# Altium PCB PCB1.pcbdoc (part 2 of 4)
Units mm, origin at the board's own origin, x right, y up, seen from the top; angles counter-clockwise.
Board outline 96.27 x 122.17 mm, 4 copper layers (Top Layer, Inner1, Inner2, Bottom Layer); 167 components, 166 nets, 783 pads, 353 vias.
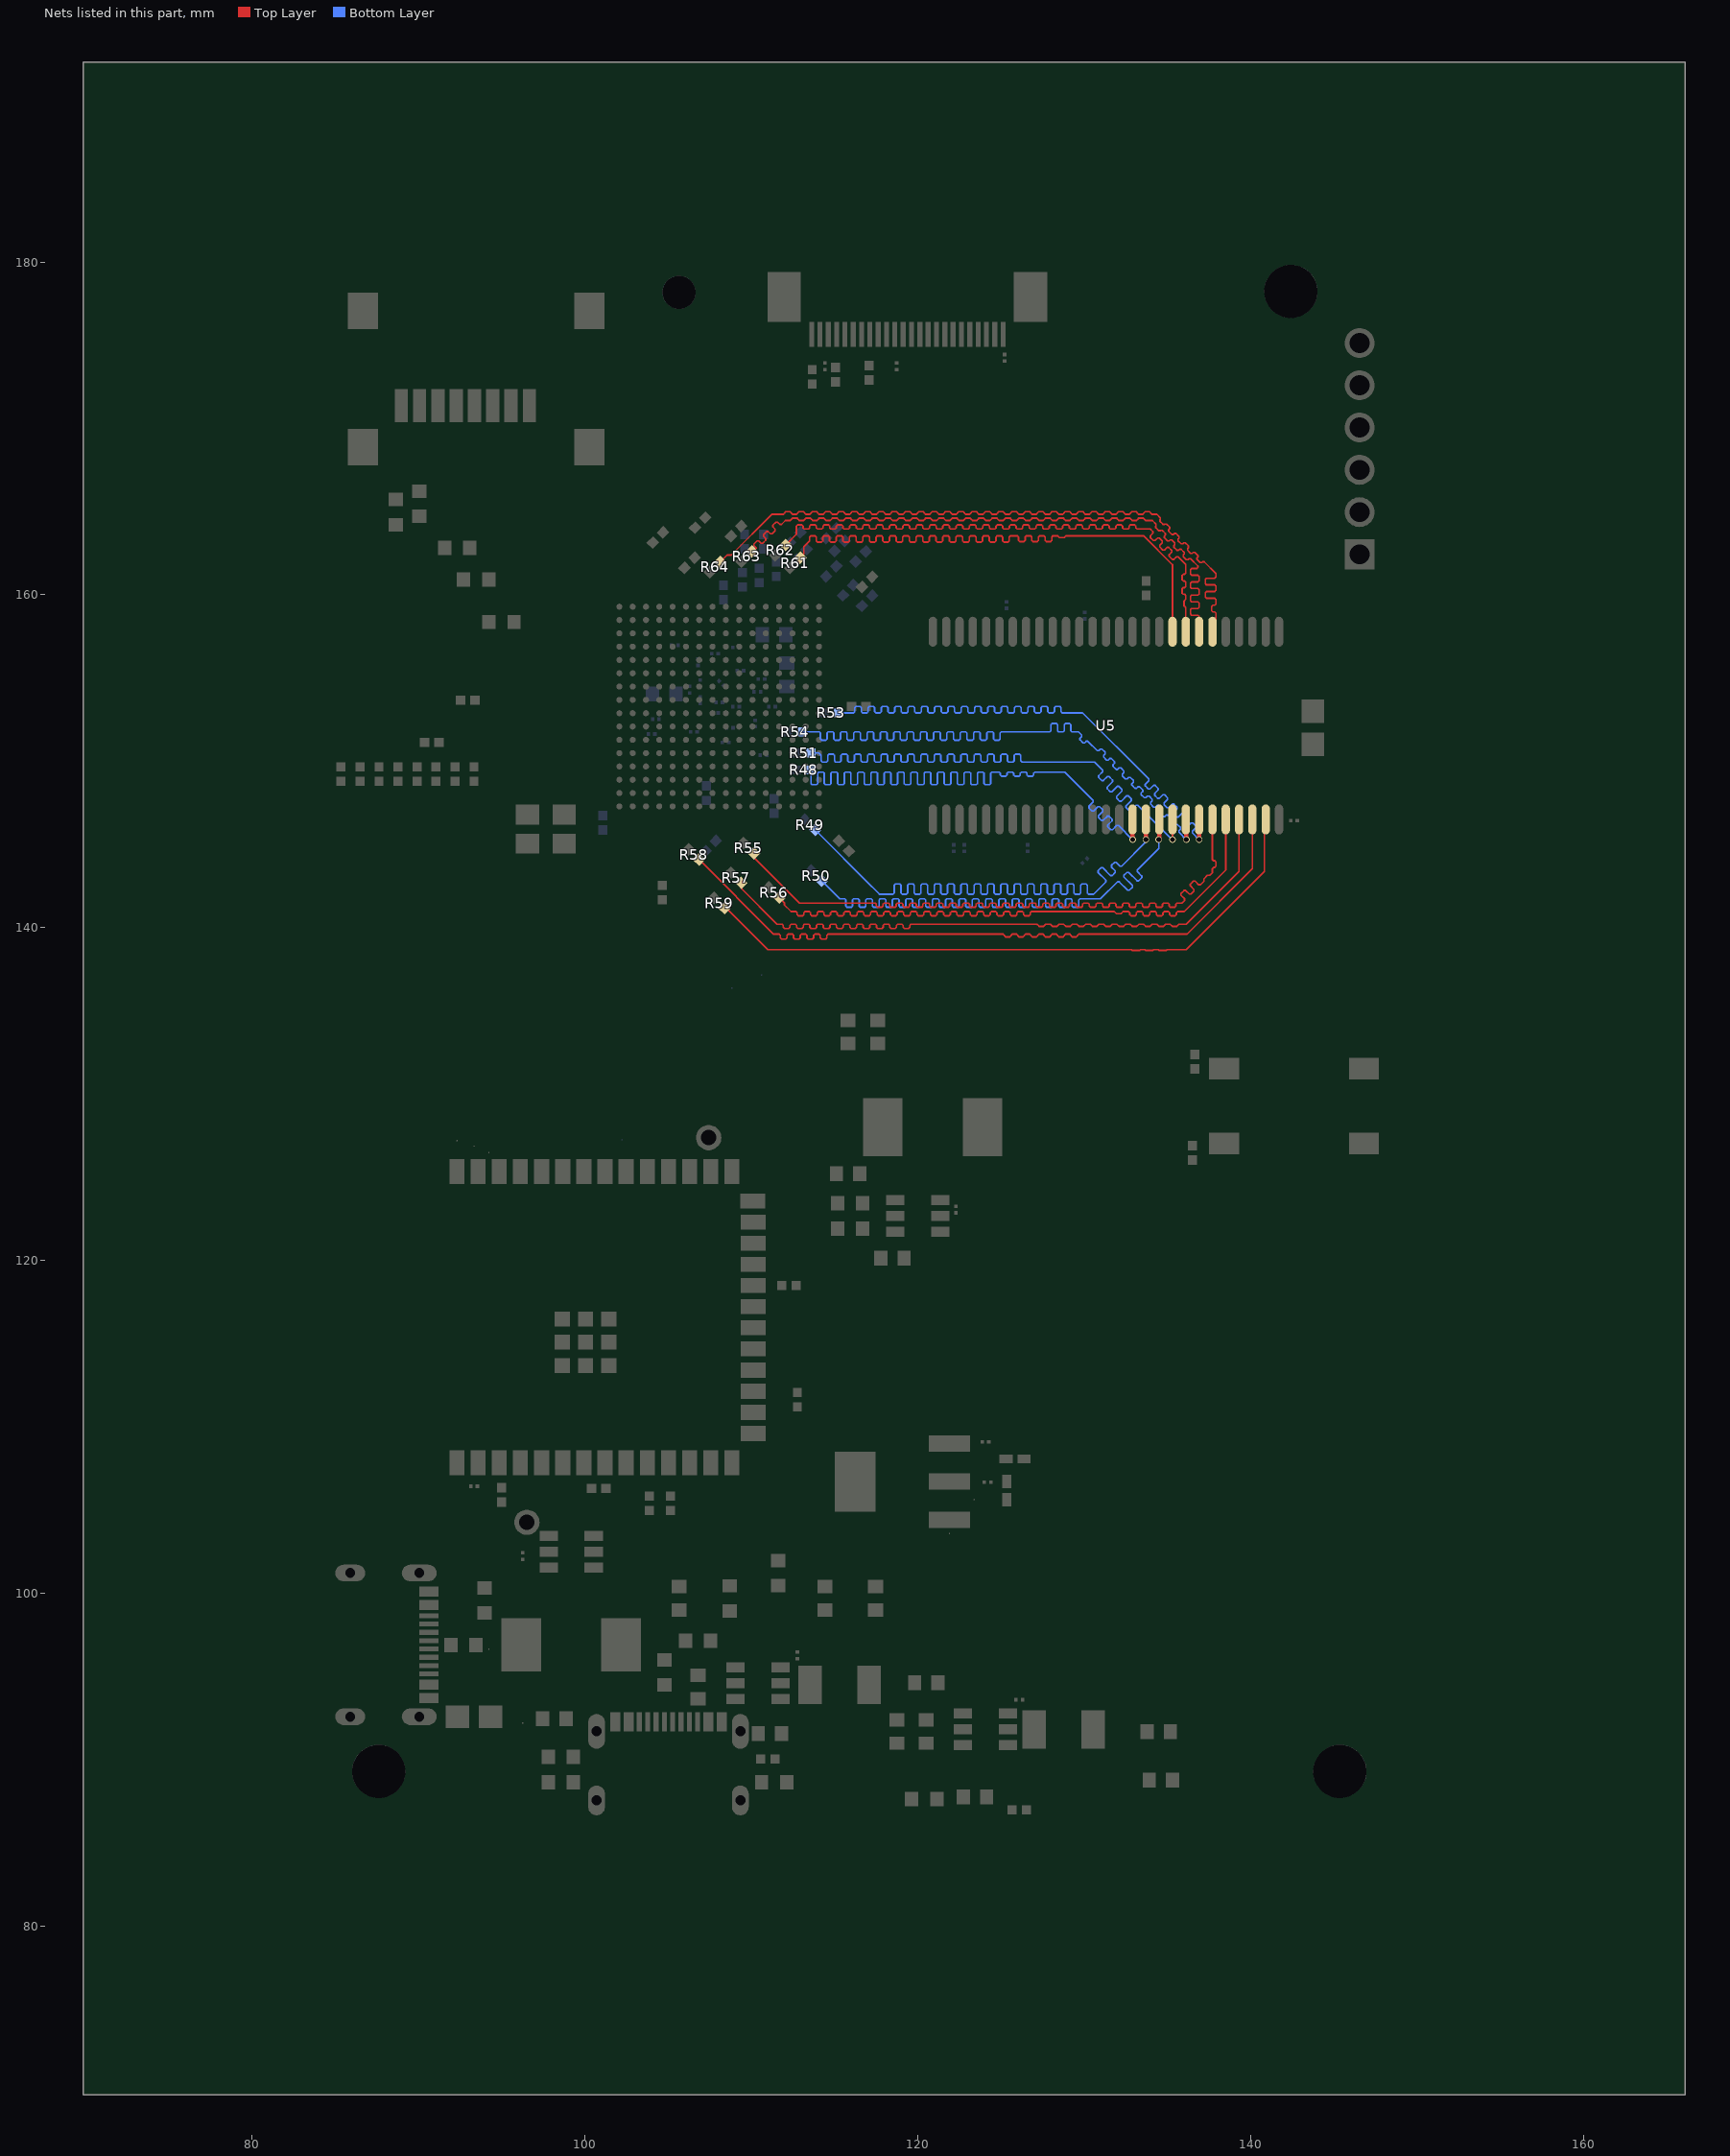
[diagram p4: the nets of this part, all layers, seen from the top]

## Via types
v1: diameter 0.4, hole 0.3, Top Layer to Bottom Layer, 318 vias
v2: diameter 1, hole 0.5, Top Layer to Bottom Layer, 34 vias
v3: diameter 0.5, hole 0.3, Top Layer to Bottom Layer, 1 vias

## Nets (pads, with @x,y where several pads share a name; then routed paths per layer and width w, separated by ;. In a path a pad name is that pad's centre, name@x,y a point inside that pad or via, vN(x,y) a via of type N, cw(c..) or ccw(c..) an arc to the next point about the centre after c; other vN are vias at no path point) (continued)
$1N71242: R48.2 U5.16 | length 44.9
  Top Layer w0.254: v1(132.918,145.288) U5.16@132.918,146.504
  Bottom Layer w0.1: R48.2@113.522,149.352 113.593,149.281 113.593,148.661 113.664,148.59 113.922,148.59 113.993,148.661 113.993,149.281 114.064,149.352 114.322,149.352 114.393,149.281 114.393,148.661 114.464,148.59 114.722,148.59 114.793,148.661 114.793,149.281 114.864,149.352 115.122,149.352 115.193,149.281 115.193,148.661 115.264,148.59 115.522,148.59 115.593,148.661 115.593,149.281 115.664,149.352 115.922,149.352 115.993,149.281 115.993,148.661 116.064,148.59 116.322,148.59 116.393,148.661 116.393,149.281 116.464,149.352 116.722,149.352 116.793,149.281 116.793,148.661 116.864,148.59 117.122,148.59 117.193,148.661 117.193,149.281 117.264,149.352 117.522,149.352 117.593,149.281 117.593,148.661 117.664,148.59 117.922,148.59 117.993,148.661 117.993,149.281 118.064,149.352 118.322,149.352 118.393,149.281 118.393,148.661 118.464,148.59 118.722,148.59 118.793,148.661 118.793,149.281 118.864,149.352 119.122,149.352 119.193,149.281 119.193,148.661 119.264,148.59 119.522,148.59 119.593,148.661 119.593,149.281 119.664,149.352 119.922,149.352 119.993,149.281 119.993,148.661 120.064,148.59 120.322,148.59 120.393,148.661 120.393,149.281 120.464,149.352 120.722,149.352 120.793,149.281 120.793,148.661 120.864,148.59 121.122,148.59 121.193,148.661 121.193,149.281 121.264,149.352 121.522,149.352 121.593,149.281 121.593,148.661 121.664,148.59 121.922,148.59 121.993,148.661 121.993,149.281 122.064,149.352 122.322,149.352 122.393,149.281 122.393,148.661 122.464,148.59 122.722,148.59 122.793,148.661 122.793,149.281 122.864,149.352 123.122,149.352 123.193,149.281 123.193,148.661 123.264,148.59 123.522,148.59 123.593,148.661 123.593,149.281 123.664,149.352 123.922,149.352 123.993,149.281 123.993,148.661 124.064,148.59 124.322,148.59 124.393,148.661 124.393,149.281 124.464,149.352 124.901,149.352 124.972,149.281 124.972,149.169 125.043,149.098 125.301,149.098 125.372,149.169 125.372,149.281 125.443,149.352 125.701,149.352 125.772,149.281 125.772,149.169 125.843,149.098 126.101,149.098 126.172,149.169 126.172,149.281 126.243,149.352 126.501,149.352 126.572,149.281 126.572,149.169 126.643,149.098 126.901,149.098 126.972,149.169 126.972,149.281 127.043,149.352 128.854,149.352 130.554,147.652 130.554,147.552 130.298,147.297 130.298,147.197 130.481,147.014 130.581,147.014 130.837,147.269 130.937,147.269 131.119,147.086 131.119,146.986 130.864,146.731 130.864,146.631 131.047,146.448 131.147,146.448 131.402,146.704 131.502,146.704 131.685,146.521 131.685,146.421 131.43,146.165 131.43,146.065 131.613,145.882 131.713,145.882 131.968,146.138 132.068,146.138 v1(132.918,145.288)
$1N71285: R49.2 U5.17 | length 42.2
  Top Layer w0.254: v1(133.718,145.288) U5.17@133.718,146.504
  Bottom Layer w0.1: R49.2@113.844,145.871 117.266,142.449 117.27,142.449 117.709,142.009 118.529,142.009 118.6,142.08 118.6,142.55 118.67,142.621 118.929,142.621 119,142.55 119,142.08 119.07,142.009 119.329,142.009 119.4,142.08 119.4,142.55 119.47,142.621 119.729,142.621 119.8,142.55 119.8,142.08 119.87,142.009 120.129,142.009 120.2,142.08 120.2,142.55 120.27,142.621 120.529,142.621 120.6,142.55 120.6,142.08 120.67,142.009 120.929,142.009 121,142.08 121,142.55 121.07,142.621 121.329,142.621 121.4,142.55 121.4,142.08 121.47,142.009 121.729,142.009 121.8,142.08 121.8,142.55 121.87,142.621 122.129,142.621 122.2,142.55 122.2,142.08 122.27,142.009 122.529,142.009 122.6,142.08 122.6,142.55 122.67,142.621 122.929,142.621 123,142.55 123,142.08 123.07,142.009 123.329,142.009 123.4,142.08 123.4,142.55 123.47,142.621 123.729,142.621 123.8,142.55 123.8,142.08 123.87,142.009 124.129,142.009 124.2,142.08 124.2,142.55 124.27,142.621 124.529,142.621 124.6,142.55 124.6,142.08 124.67,142.009 124.929,142.009 125,142.08 125,142.55 125.07,142.621 125.329,142.621 125.4,142.55 125.4,142.08 125.47,142.009 125.729,142.009 125.8,142.08 125.8,142.55 125.87,142.621 126.129,142.621 126.2,142.55 126.2,142.08 126.27,142.009 126.529,142.009 126.6,142.08 126.6,142.55 126.67,142.621 126.929,142.621 127,142.55 127,142.08 127.07,142.009 127.329,142.009 127.4,142.08 127.4,142.55 127.47,142.621 127.729,142.621 127.8,142.55 127.8,142.08 127.87,142.009 128.129,142.009 128.2,142.08 128.2,142.55 128.27,142.621 128.529,142.621 128.6,142.55 128.6,142.08 128.67,142.009 128.929,142.009 129,142.08 129,142.55 129.07,142.621 129.329,142.621 129.4,142.55 129.4,142.08 129.47,142.009 129.729,142.009 129.8,142.08 129.8,142.55 129.87,142.621 130.129,142.621 130.2,142.55 130.2,142.08 130.27,142.009 130.57,142.009 131.313,142.751 131.313,142.851 130.845,143.319 130.845,143.419 131.028,143.602 131.128,143.602 131.596,143.134 131.696,143.134 131.878,143.317 131.878,143.417 131.653,143.643 131.653,143.743 131.836,143.926 131.936,143.926 132.161,143.7 132.261,143.7 133.718,145.157 v1(133.718,145.288)
$1N71328: R50.2 U5.18 | length 41.7
  Top Layer w0.254: v1(134.493,145.288) 134.518,145.313 U5.18@134.518,146.504
  Bottom Layer w0.1: R50.2@114.225,142.823 115.316,141.732 115.616,141.732 115.687,141.661 115.687,141.295 115.757,141.224 116.016,141.224 116.087,141.295 116.087,141.661 116.157,141.732 116.416,141.732 116.487,141.661 116.487,141.295 116.557,141.224 116.816,141.224 116.887,141.295 116.887,141.661 116.957,141.732 117.216,141.732 117.287,141.661 117.287,141.295 117.357,141.224 117.616,141.224 117.687,141.295 117.687,141.661 117.757,141.732 118.016,141.732 118.087,141.661 118.087,141.295 118.157,141.224 118.416,141.224 118.487,141.295 118.487,141.661 118.557,141.732 118.816,141.732 118.887,141.661 118.887,141.295 118.957,141.224 119.216,141.224 119.287,141.295 119.287,141.661 119.357,141.732 119.616,141.732 119.687,141.661 119.687,141.295 119.757,141.224 120.016,141.224 120.087,141.295 120.087,141.661 120.157,141.732 120.416,141.732 120.487,141.661 120.487,141.295 120.557,141.224 120.816,141.224 120.887,141.295 120.887,141.661 120.957,141.732 121.216,141.732 121.287,141.661 121.287,141.295 121.357,141.224 121.616,141.224 121.687,141.295 121.687,141.661 121.757,141.732 122.016,141.732 122.087,141.661 122.087,141.295 122.157,141.224 122.416,141.224 122.487,141.295 122.487,141.661 122.557,141.732 122.816,141.732 122.887,141.661 122.887,141.295 122.957,141.224 123.216,141.224 123.287,141.295 123.287,141.661 123.357,141.732 123.616,141.732 123.687,141.661 123.687,141.295 123.757,141.224 124.016,141.224 124.087,141.295 124.087,141.661 124.157,141.732 124.416,141.732 124.487,141.661 124.487,141.295 124.557,141.224 124.816,141.224 124.887,141.295 124.887,141.661 124.957,141.732 125.216,141.732 125.287,141.661 125.287,141.295 125.357,141.224 125.616,141.224 125.687,141.295 125.687,141.661 125.757,141.732 126.016,141.732 126.087,141.661 126.087,141.295 126.157,141.224 126.416,141.224 126.487,141.295 126.487,141.661 126.557,141.732 126.816,141.732 126.887,141.661 126.887,141.295 126.957,141.224 127.216,141.224 127.287,141.295 127.287,141.661 127.357,141.732 127.616,141.732 127.687,141.661 127.687,141.295 127.757,141.224 128.016,141.224 128.087,141.295 128.087,141.661 128.157,141.732 128.416,141.732 128.487,141.661 128.487,141.295 128.557,141.224 128.816,141.224 128.887,141.295 128.887,141.661 128.957,141.732 129.216,141.732 129.287,141.661 129.287,141.295 129.357,141.224 129.616,141.224 129.687,141.295 129.687,141.661 129.757,141.732 130.985,141.732 132.014,142.761 132.114,142.761 132.625,142.25 132.725,142.25 132.908,142.433 132.908,142.533 132.397,143.044 132.397,143.144 132.579,143.327 132.679,143.327 133.191,142.816 133.291,142.816 133.473,142.998 133.473,143.098 133.199,143.373 133.199,143.473 134.493,144.768 v1(134.493,145.288)
$1N71371: R51.2 U5.19 | length 40.8
  Top Layer w0.1: v1(135.318,145.288) U5.19@135.318,146.504
  Bottom Layer w0.1: R51.2@113.59,150.495 114.064,150.495 114.2,150.358 114.2,150.029 114.271,149.958 114.53,149.958 114.6,150.029 114.6,150.358 114.671,150.429 114.93,150.429 115,150.358 115,150.029 115.071,149.958 115.33,149.958 115.4,150.029 115.4,150.358 115.471,150.429 115.73,150.429 115.8,150.358 115.8,150.029 115.871,149.958 116.13,149.958 116.2,150.029 116.2,150.358 116.271,150.429 116.53,150.429 116.6,150.358 116.6,150.029 116.671,149.958 116.93,149.958 117,150.029 117,150.358 117.071,150.429 117.33,150.429 117.4,150.358 117.4,150.029 117.471,149.958 117.73,149.958 117.8,150.029 117.8,150.358 117.871,150.429 118.13,150.429 118.2,150.358 118.2,150.029 118.271,149.958 118.53,149.958 118.6,150.029 118.6,150.358 118.671,150.429 118.93,150.429 119,150.358 119,150.029 119.071,149.958 119.33,149.958 119.4,150.029 119.4,150.358 119.471,150.429 119.73,150.429 119.8,150.358 119.8,150.029 119.871,149.958 120.13,149.958 120.2,150.029 120.2,150.358 120.271,150.429 120.53,150.429 120.6,150.358 120.6,150.029 120.671,149.958 120.93,149.958 121,150.029 121,150.358 121.071,150.429 121.33,150.429 121.4,150.358 121.4,150.029 121.471,149.958 121.73,149.958 121.8,150.029 121.8,150.358 121.871,150.429 122.13,150.429 122.2,150.358 122.2,150.029 122.271,149.958 122.53,149.958 122.6,150.029 122.6,150.358 122.671,150.429 122.93,150.429 123,150.358 123,150.029 123.071,149.958 123.33,149.958 123.4,150.029 123.4,150.358 123.471,150.429 123.73,150.429 123.8,150.358 123.8,150.029 123.871,149.958 124.13,149.958 124.2,150.029 124.2,150.358 124.271,150.429 124.53,150.429 124.6,150.358 124.6,150.029 124.671,149.958 124.93,149.958 125,150.029 125,150.358 125.071,150.429 125.33,150.429 125.4,150.358 125.4,150.029 125.471,149.958 125.73,149.958 125.8,150.029 125.8,150.358 125.871,150.429 126.13,150.429 126.2,150.358 126.2,150.029 126.271,149.958 130.627,149.958 131.119,149.466 131.119,149.366 130.881,149.127 130.881,149.027 131.064,148.844 131.164,148.844 131.402,149.083 131.502,149.083 131.714,148.871 131.714,148.771 131.395,148.453 131.395,148.353 131.578,148.17 131.678,148.17 131.997,148.489 132.097,148.489 132.28,148.306 132.28,148.206 131.961,147.887 131.961,147.787 132.144,147.604 132.244,147.604 132.563,147.923 132.663,147.923 132.845,147.74 132.845,147.64 132.527,147.321 132.527,147.221 132.71,147.039 132.81,147.039 133.128,147.357 133.228,147.357 135.17,145.415 135.191,145.415 v1(135.318,145.288)
$1N71457: R53.2 U5.21 | length 39.7
  Top Layer w0.254: v1(136.918,145.288) U5.21@136.918,146.504
  Bottom Layer w0.1: R53.2@115.241,152.908 116.151,152.908 116.222,152.979 116.222,153.218 116.293,153.289 116.551,153.289 116.622,153.218 116.622,152.979 116.693,152.908 116.951,152.908 117.022,152.979 117.022,153.218 117.093,153.289 117.351,153.289 117.422,153.218 117.422,152.979 117.493,152.908 117.751,152.908 117.822,152.979 117.822,153.218 117.893,153.289 118.151,153.289 118.222,153.218 118.222,152.979 118.293,152.908 118.551,152.908 118.622,152.979 118.622,153.218 118.693,153.289 118.951,153.289 119.022,153.218 119.022,152.979 119.093,152.908 119.351,152.908 119.422,152.979 119.422,153.218 119.493,153.289 119.751,153.289 119.822,153.218 119.822,152.979 119.893,152.908 120.151,152.908 120.222,152.979 120.222,153.218 120.293,153.289 120.551,153.289 120.622,153.218 120.622,152.979 120.693,152.908 120.951,152.908 121.022,152.979 121.022,153.218 121.093,153.289 121.351,153.289 121.422,153.218 121.422,152.979 121.493,152.908 121.751,152.908 121.822,152.979 121.822,153.218 121.893,153.289 122.151,153.289 122.222,153.218 122.222,152.979 122.293,152.908 122.551,152.908 122.622,152.979 122.622,153.218 122.693,153.289 122.951,153.289 123.022,153.218 123.022,152.979 123.093,152.908 123.351,152.908 123.422,152.979 123.422,153.218 123.493,153.289 123.751,153.289 123.822,153.218 123.822,152.979 123.893,152.908 124.151,152.908 124.222,152.979 124.222,153.218 124.293,153.289 124.551,153.289 124.622,153.218 124.622,152.979 124.693,152.908 124.951,152.908 125.022,152.979 125.022,153.218 125.093,153.289 125.351,153.289 125.422,153.218 125.422,152.979 125.493,152.908 125.751,152.908 125.822,152.979 125.822,153.218 125.893,153.289 126.151,153.289 126.222,153.218 126.222,152.979 126.293,152.908 126.551,152.908 126.622,152.979 126.622,153.218 126.693,153.289 126.951,153.289 127.022,153.218 127.022,152.979 127.093,152.908 127.351,152.908 127.422,152.979 127.422,153.218 127.493,153.289 127.751,153.289 127.822,153.218 127.822,152.979 127.893,152.908 128.151,152.908 128.222,152.979 128.222,153.218 128.293,153.289 128.551,153.289 128.622,153.218 128.622,152.979 128.693,152.908 129.921,152.908 133.892,148.937 133.892,148.837 133.68,148.626 133.68,148.526 133.863,148.343 133.963,148.343 134.175,148.554 134.275,148.554 134.458,148.371 134.458,148.271 134.246,148.06 134.246,147.96 134.429,147.777 134.529,147.777 134.74,147.989 134.84,147.989 135.023,147.806 135.023,147.706 134.812,147.494 134.812,147.394 134.995,147.211 135.095,147.211 135.306,147.423 135.406,147.423 135.589,147.24 135.589,147.14 135.377,146.929 135.377,146.829 135.56,146.646 135.66,146.646 135.872,146.857 135.972,146.857 136.155,146.674 136.155,146.574 135.943,146.363 135.943,146.263 136.126,146.08 136.226,146.08 136.437,146.292 136.537,146.292 136.72,146.109 136.72,146.009 136.509,145.797 136.509,145.697 v1(136.918,145.288)
$1N71500: R54.2 U5.20 | length 44
  Top Layer w0.254: U5.20@136.118,146.504 136.144,146.478 v1(136.144,145.288)
  Bottom Layer w0.1: R54.2@113.082,151.763 114.091,151.763 114.162,151.693 114.162,151.337 114.233,151.266 114.491,151.266 114.562,151.337 114.562,151.693 114.633,151.763 114.891,151.763 114.962,151.693 114.962,151.337 115.033,151.266 115.291,151.266 115.362,151.337 115.362,151.693 115.433,151.763 115.691,151.763 115.762,151.693 115.762,151.337 115.833,151.266 116.091,151.266 116.162,151.337 116.162,151.693 116.233,151.763 116.491,151.763 116.562,151.693 116.562,151.337 116.633,151.266 116.891,151.266 116.962,151.337 116.962,151.693 117.033,151.763 117.291,151.763 117.362,151.693 117.362,151.337 117.433,151.266 117.691,151.266 117.762,151.337 117.762,151.693 117.833,151.763 118.091,151.763 118.162,151.693 118.162,151.337 118.233,151.266 118.491,151.266 118.562,151.337 118.562,151.693 118.633,151.763 118.891,151.763 118.962,151.693 118.962,151.337 119.033,151.266 119.291,151.266 119.362,151.337 119.362,151.693 119.433,151.763 119.691,151.763 119.762,151.693 119.762,151.337 119.833,151.266 120.091,151.266 120.162,151.337 120.162,151.693 120.233,151.763 120.491,151.763 120.562,151.693 120.562,151.337 120.633,151.266 120.891,151.266 120.962,151.337 120.962,151.693 121.033,151.763 121.291,151.763 121.362,151.693 121.362,151.337 121.433,151.266 121.691,151.266 121.762,151.337 121.762,151.693 121.833,151.763 122.091,151.763 122.162,151.693 122.162,151.337 122.233,151.266 122.491,151.266 122.562,151.337 122.562,151.693 122.633,151.763 122.891,151.763 122.962,151.693 122.962,151.337 123.033,151.266 123.291,151.266 123.362,151.337 123.362,151.693 123.433,151.763 123.691,151.763 123.762,151.693 123.762,151.337 123.833,151.266 124.091,151.266 124.162,151.337 124.162,151.693 124.233,151.763 124.491,151.763 124.562,151.693 124.562,151.337 124.633,151.266 124.891,151.266 124.962,151.337 124.962,151.693 125.033,151.763 126.619,151.763 ; 126.671,151.763 127.94,151.763 128.01,151.834 128.01,152.202 128.081,152.273 128.34,152.273 128.41,152.202 128.41,151.834 128.481,151.763 128.74,151.763 128.81,151.834 128.81,152.202 128.881,152.273 129.14,152.273 129.21,152.202 129.21,151.834 129.281,151.763 129.669,151.763 129.85,151.582 129.85,151.482 129.759,151.392 129.759,151.292 129.942,151.109 130.042,151.109 130.132,151.2 130.232,151.2 130.793,150.639 130.893,150.639 130.983,150.73 131.083,150.73 131.266,150.547 131.266,150.447 131.176,150.356 131.176,150.256 131.358,150.074 131.458,150.074 131.549,150.164 131.649,150.164 131.832,149.981 131.832,149.881 131.741,149.791 131.741,149.691 131.924,149.508 132.024,149.508 132.115,149.598 132.215,149.598 132.397,149.416 132.397,149.316 132.307,149.225 132.307,149.125 132.49,148.942 132.59,148.942 132.68,149.033 132.78,149.033 132.963,148.85 132.963,148.75 132.873,148.659 132.873,148.559 133.055,148.377 133.155,148.377 133.246,148.467 133.346,148.467 133.529,148.284 133.529,148.184 133.438,148.094 133.438,147.994 133.621,147.811 133.721,147.811 133.812,147.901 133.912,147.901 134.095,147.718 134.095,147.618 134.004,147.528 134.004,147.428 134.187,147.245 134.287,147.245 134.377,147.336 134.477,147.336 134.66,147.153 134.66,147.053 134.57,146.962 134.57,146.862 134.753,146.679 134.853,146.679 134.943,146.77 135.043,146.77 135.226,146.587 135.226,146.487 135.135,146.397 135.135,146.297 135.318,146.114 135.418,146.114 135.509,146.204 135.609,146.204 135.792,146.021 135.792,145.921 135.701,145.831 135.701,145.731 v1(136.144,145.288)
$1N74645: R55.2 U5.22 | length 42.3
  Top Layer w0.1: R55.2@110.161,144.22 112.903,141.478 117.449,141.478 117.519,141.407 117.519,141.295 117.59,141.224 117.849,141.224 117.919,141.295 117.919,141.407 117.99,141.478 118.249,141.478 118.319,141.407 118.319,141.295 118.39,141.224 118.649,141.224 118.719,141.295 118.719,141.407 118.79,141.478 119.049,141.478 119.119,141.407 119.119,141.295 119.19,141.224 119.449,141.224 119.519,141.295 119.519,141.407 119.59,141.478 119.849,141.478 119.919,141.407 119.919,141.295 119.99,141.224 120.249,141.224 120.319,141.295 120.319,141.407 120.39,141.478 120.649,141.478 120.719,141.407 120.719,141.295 120.79,141.224 121.049,141.224 121.119,141.295 121.119,141.407 121.19,141.478 121.449,141.478 121.519,141.407 121.519,141.295 121.59,141.224 121.849,141.224 121.919,141.295 121.919,141.407 121.99,141.478 122.249,141.478 122.319,141.407 122.319,141.295 122.39,141.224 122.649,141.224 122.719,141.295 122.719,141.407 122.79,141.478 123.049,141.478 123.119,141.407 123.119,141.295 123.19,141.224 123.449,141.224 123.519,141.295 123.519,141.407 123.59,141.478 123.849,141.478 123.919,141.407 123.919,141.295 123.99,141.224 124.249,141.224 124.319,141.295 124.319,141.407 124.39,141.478 124.649,141.478 124.719,141.407 124.719,141.295 124.79,141.224 125.049,141.224 125.119,141.295 125.119,141.407 125.19,141.478 125.449,141.478 125.519,141.407 125.519,141.295 125.59,141.224 125.849,141.224 125.919,141.295 125.919,141.407 125.99,141.478 126.249,141.478 126.319,141.407 126.319,141.295 126.39,141.224 126.649,141.224 126.719,141.295 126.719,141.407 126.79,141.478 127.049,141.478 127.119,141.407 127.119,141.295 127.19,141.224 127.449,141.224 127.519,141.295 127.519,141.407 127.59,141.478 127.849,141.478 127.919,141.407 127.919,141.295 127.99,141.224 128.249,141.224 128.319,141.295 128.319,141.407 128.39,141.478 128.649,141.478 128.719,141.407 128.719,141.295 128.79,141.224 129.049,141.224 129.119,141.295 129.119,141.407 129.19,141.478 129.449,141.478 129.519,141.407 129.519,141.295 129.59,141.224 129.849,141.224 129.919,141.295 129.919,141.407 129.99,141.478 130.249,141.478 130.319,141.407 130.319,141.295 130.39,141.224 130.649,141.224 130.719,141.295 130.719,141.407 130.79,141.478 131.049,141.478 131.119,141.407 131.119,141.295 131.19,141.224 131.449,141.224 131.519,141.295 131.519,141.407 131.59,141.478 131.849,141.478 131.919,141.407 131.919,141.295 131.99,141.224 132.249,141.224 132.319,141.295 132.319,141.407 132.39,141.478 132.649,141.478 132.719,141.407 132.719,141.295 132.79,141.224 133.049,141.224 133.119,141.295 133.119,141.407 133.19,141.478 133.449,141.478 133.519,141.407 133.519,141.295 133.59,141.224 133.849,141.224 133.919,141.295 133.919,141.407 133.99,141.478 134.249,141.478 134.319,141.407 134.319,141.295 134.39,141.224 134.649,141.224 134.719,141.295 134.719,141.407 134.79,141.478 135.049,141.478 135.119,141.407 135.119,141.295 135.19,141.224 135.449,141.224 135.519,141.295 135.519,141.407 135.59,141.478 135.89,141.478 136.044,141.632 136.044,141.732 135.826,141.949 135.826,142.049 136.009,142.232 136.109,142.232 136.327,142.015 136.427,142.015 136.61,142.198 136.61,142.298 136.392,142.515 136.392,142.615 136.575,142.798 136.675,142.798 136.893,142.581 136.993,142.581 137.202,142.79 137.202,142.931 137.414,143.143 137.555,143.143 137.718,143.306 137.718,143.549 137.789,143.62 137.851,143.62 137.922,143.69 137.922,143.949 137.851,144.02 137.789,144.02 137.718,144.09 U5.22@137.718,146.504
$1N74688: R56.2 U5.23 | length 39
  Top Layer w0.1: R56.2@111.685,141.807 111.99,141.502 111.99,141.376 112.396,140.97 112.696,140.97 112.767,140.899 112.767,140.787 112.837,140.716 113.096,140.716 113.167,140.787 113.167,140.899 113.237,140.97 113.496,140.97 113.567,140.899 113.567,140.787 113.637,140.716 113.896,140.716 113.967,140.787 113.967,140.899 114.037,140.97 114.296,140.97 114.367,140.899 114.367,140.787 114.437,140.716 114.696,140.716 114.767,140.787 114.767,140.899 114.837,140.97 115.096,140.97 115.167,140.899 115.167,140.787 115.237,140.716 115.496,140.716 115.567,140.787 115.567,140.899 115.637,140.97 115.896,140.97 115.967,140.899 115.967,140.787 116.037,140.716 116.296,140.716 116.367,140.787 116.367,140.899 116.437,140.97 116.696,140.97 116.767,140.899 116.767,140.787 116.837,140.716 117.096,140.716 117.167,140.787 117.167,140.899 117.237,140.97 117.496,140.97 117.567,140.899 117.567,140.787 117.637,140.716 117.896,140.716 117.967,140.787 117.967,140.899 118.037,140.97 118.296,140.97 118.367,140.899 118.367,140.787 118.437,140.716 118.696,140.716 118.767,140.787 118.767,140.899 118.837,140.97 119.096,140.97 119.167,140.899 119.167,140.787 119.237,140.716 119.496,140.716 119.567,140.787 119.567,140.899 119.637,140.97 119.896,140.97 119.967,140.899 119.967,140.787 120.037,140.716 120.296,140.716 120.367,140.787 120.367,140.899 120.437,140.97 120.696,140.97 120.767,140.899 120.767,140.787 120.837,140.716 121.096,140.716 121.167,140.787 121.167,140.899 121.237,140.97 121.496,140.97 121.567,140.899 121.567,140.787 121.637,140.716 121.896,140.716 121.967,140.787 121.967,140.899 122.037,140.97 122.296,140.97 122.367,140.899 122.367,140.787 122.437,140.716 122.696,140.716 122.767,140.787 122.767,140.899 122.837,140.97 123.096,140.97 123.167,140.899 123.167,140.787 123.237,140.716 123.496,140.716 123.567,140.787 123.567,140.899 123.637,140.97 123.896,140.97 123.967,140.899 123.967,140.787 124.037,140.716 124.296,140.716 124.367,140.787 124.367,140.899 124.437,140.97 124.696,140.97 124.767,140.899 124.767,140.787 124.837,140.716 125.096,140.716 125.167,140.787 125.167,140.899 125.237,140.97 125.496,140.97 125.567,140.899 125.567,140.787 125.637,140.716 125.896,140.716 125.967,140.787 125.967,140.899 126.037,140.97 126.296,140.97 126.367,140.899 126.367,140.787 126.437,140.716 126.696,140.716 126.767,140.787 126.767,140.899 126.837,140.97 131.82,140.97 131.947,140.843 132.22,140.843 132.347,140.97 132.678,140.97 132.748,140.899 132.748,140.787 132.819,140.716 133.078,140.716 133.148,140.787 133.148,140.899 133.219,140.97 133.478,140.97 133.548,140.899 133.548,140.787 133.619,140.716 133.878,140.716 133.948,140.787 133.948,140.899 134.019,140.97 134.278,140.97 134.348,140.899 134.348,140.787 134.419,140.716 134.678,140.716 134.748,140.787 134.748,140.899 134.819,140.97 135.078,140.97 135.148,140.899 135.148,140.787 135.219,140.716 135.478,140.716 135.548,140.787 135.548,140.899 135.619,140.97 136.017,140.97 138.518,143.471 U5.23@138.518,146.504
$1N74731: R57.2 U5.24 | length 40.2
  Top Layer w0.1: R57.2@109.399,142.696 109.399,142.367 111.558,140.208 111.858,140.208 111.929,140.137 111.929,140.025 111.999,139.954 112.258,139.954 112.329,140.025 112.329,140.137 112.399,140.208 112.658,140.208 112.729,140.137 112.729,140.025 112.799,139.954 113.058,139.954 113.129,140.025 113.129,140.137 113.199,140.208 113.458,140.208 113.529,140.137 113.529,140.025 113.599,139.954 113.858,139.954 113.929,140.025 113.929,140.137 113.999,140.208 114.258,140.208 114.329,140.137 114.329,140.025 114.399,139.954 114.658,139.954 114.729,140.025 114.729,140.137 114.799,140.208 115.058,140.208 115.129,140.137 115.129,140.025 115.199,139.954 115.458,139.954 115.529,140.025 115.529,140.137 115.599,140.208 115.858,140.208 115.929,140.137 115.929,140.025 115.999,139.954 116.258,139.954 116.329,140.025 116.329,140.137 116.399,140.208 116.658,140.208 116.729,140.137 116.729,140.025 116.799,139.954 117.058,139.954 117.129,140.025 117.129,140.137 117.199,140.208 117.458,140.208 117.529,140.137 117.529,140.025 117.599,139.954 117.858,139.954 117.929,140.025 117.929,140.137 117.999,140.208 118.258,140.208 118.329,140.137 118.329,140.025 118.399,139.954 118.658,139.954 118.729,140.025 118.729,140.137 118.799,140.208 119.058,140.208 119.129,140.137 119.129,140.025 119.199,139.954 119.458,139.954 119.529,140.025 119.529,140.137 119.599,140.208 127.177,140.208 127.304,140.081 127.577,140.081 127.704,140.208 127.977,140.208 128.104,140.081 128.377,140.081 128.504,140.208 128.777,140.208 128.904,140.081 129.177,140.081 129.304,140.208 129.577,140.208 129.704,140.081 129.977,140.081 130.104,140.208 130.377,140.208 130.504,140.081 130.777,140.081 130.904,140.208 131.177,140.208 131.304,140.081 131.577,140.081 131.704,140.208 131.977,140.208 132.104,140.081 132.377,140.081 132.504,140.208 132.777,140.208 132.904,140.081 133.177,140.081 133.304,140.208 133.577,140.208 133.704,140.081 133.977,140.081 134.104,140.208 134.377,140.208 134.504,140.081 134.777,140.081 134.904,140.208 135.177,140.208 135.304,140.081 135.577,140.081 135.704,140.208 136.144,140.208 139.319,143.383 U5.24@139.319,146.503
$1N74774: R58.2 U5.25 | length 42.3
  Top Layer w0.1: R58.2@106.859,144.093 106.873,144.093 111.356,139.61 111.679,139.61 111.75,139.539 111.75,139.39 111.82,139.319 112.079,139.319 112.15,139.39 112.15,139.539 112.22,139.61 112.479,139.61 112.55,139.539 112.55,139.39 112.62,139.319 112.879,139.319 112.95,139.39 112.95,139.539 113.02,139.61 113.279,139.61 113.35,139.539 113.35,139.39 113.42,139.319 113.679,139.319 113.75,139.39 113.75,139.539 113.82,139.61 114.079,139.61 114.15,139.539 114.15,139.39 114.22,139.319 114.479,139.319 114.55,139.39 114.55,139.539 114.62,139.61 125.143,139.61 125.214,139.539 125.214,139.517 125.285,139.446 125.543,139.446 125.614,139.517 125.614,139.539 125.685,139.61 125.943,139.61 126.014,139.539 126.014,139.517 126.085,139.446 126.343,139.446 126.414,139.517 126.414,139.539 126.485,139.61 126.743,139.61 126.814,139.539 126.814,139.517 126.885,139.446 127.143,139.446 127.214,139.517 127.214,139.539 127.285,139.61 127.543,139.61 127.614,139.539 127.614,139.517 127.685,139.446 127.943,139.446 128.014,139.517 128.014,139.539 128.085,139.61 128.343,139.61 128.414,139.539 128.414,139.517 128.485,139.446 128.743,139.446 128.814,139.517 128.814,139.539 128.885,139.61 129.143,139.61 129.214,139.539 129.214,139.517 129.285,139.446 129.543,139.446 129.614,139.517 129.614,139.539 129.685,139.61 136.181,139.61 140.118,143.547 U5.25@140.118,146.504
$1N74817: R59.2 U5.26 | length 38.8
  Top Layer w0.1: R59.2@108.383,141.299 110.998,138.684 132.863,138.684 132.917,138.63 133.336,138.63 133.39,138.684 133.663,138.684 133.717,138.63 134.136,138.63 134.19,138.684 134.463,138.684 134.517,138.63 134.936,138.63 134.99,138.684 136.144,138.684 140.843,143.383 140.843,146.429 U5.26@140.918,146.504
$1N74931: R61.1 U5.36 | length 38.7
  Top Layer w0.1: R61.1@112.955,162.231 113.17,162.446 113.17,162.901 113.508,163.239 113.508,163.478 113.578,163.549 113.837,163.549 113.908,163.478 113.908,163.239 113.978,163.168 114.237,163.168 114.308,163.239 114.308,163.478 114.378,163.549 114.637,163.549 114.708,163.478 114.708,163.239 114.778,163.168 115.037,163.168 115.108,163.239 115.108,163.478 115.178,163.549 115.437,163.549 115.508,163.478 115.508,163.239 115.578,163.168 115.837,163.168 115.908,163.239 115.908,163.478 115.978,163.549 116.237,163.549 116.308,163.478 116.308,163.239 116.378,163.168 116.637,163.168 116.708,163.239 116.708,163.478 116.778,163.549 117.037,163.549 117.108,163.478 117.108,163.239 117.178,163.168 117.437,163.168 117.508,163.239 117.508,163.478 117.578,163.549 117.837,163.549 117.908,163.478 117.908,163.239 117.978,163.168 118.237,163.168 118.308,163.239 118.308,163.478 118.378,163.549 118.637,163.549 118.708,163.478 118.708,163.239 118.778,163.168 119.037,163.168 119.108,163.239 119.108,163.478 119.178,163.549 119.437,163.549 119.508,163.478 119.508,163.239 119.578,163.168 119.837,163.168 119.908,163.239 119.908,163.478 119.978,163.549 120.237,163.549 120.308,163.478 120.308,163.239 120.378,163.168 120.637,163.168 120.708,163.239 120.708,163.478 120.778,163.549 121.037,163.549 121.108,163.478 121.108,163.239 121.178,163.168 121.437,163.168 121.508,163.239 121.508,163.478 121.578,163.549 121.837,163.549 121.908,163.478 121.908,163.239 121.978,163.168 122.237,163.168 122.308,163.239 122.308,163.478 122.378,163.549 122.637,163.549 122.708,163.478 122.708,163.239 122.778,163.168 123.037,163.168 123.108,163.239 123.108,163.478 123.178,163.549 123.437,163.549 123.508,163.478 123.508,163.239 123.578,163.168 123.837,163.168 123.908,163.239 123.908,163.478 123.978,163.549 124.237,163.549 124.308,163.478 124.308,163.239 124.378,163.168 124.637,163.168 124.708,163.239 124.708,163.478 124.778,163.549 125.037,163.549 125.108,163.478 125.108,163.239 125.178,163.168 125.437,163.168 125.508,163.239 125.508,163.478 125.578,163.549 125.993,163.549 126.063,163.478 126.063,163.266 126.134,163.195 126.393,163.195 126.463,163.266 126.463,163.478 126.534,163.549 126.793,163.549 126.863,163.478 126.863,163.266 126.934,163.195 127.193,163.195 127.263,163.266 127.263,163.478 127.334,163.549 127.593,163.549 127.663,163.478 127.663,163.266 127.734,163.195 127.993,163.195 128.063,163.266 128.063,163.478 128.134,163.549 128.416,163.549 128.516,163.449 128.816,163.449 128.916,163.549 133.577,163.549 135.318,161.808 U5.36@135.318,157.788
$1N74974: R62.1 U5.35 | length 40.8
  Top Layer w0.1: R62.1@112.066,162.993 112.716,163.643 112.716,164.14 112.786,164.211 113.045,164.211 113.116,164.14 113.116,164.028 113.186,163.957 113.445,163.957 113.516,164.028 113.516,164.14 113.586,164.211 113.845,164.211 113.916,164.14 113.916,164.028 113.986,163.957 114.245,163.957 114.316,164.028 114.316,164.14 114.386,164.211 114.645,164.211 114.716,164.14 114.716,164.028 114.786,163.957 115.045,163.957 115.116,164.028 115.116,164.14 115.186,164.211 115.445,164.211 115.516,164.14 115.516,164.028 115.586,163.957 115.845,163.957 115.916,164.028 115.916,164.14 115.986,164.211 116.245,164.211 116.316,164.14 116.316,164.028 116.386,163.957 116.645,163.957 116.716,164.028 116.716,164.14 116.786,164.211 117.045,164.211 117.116,164.14 117.116,164.028 117.186,163.957 117.445,163.957 117.516,164.028 117.516,164.14 117.586,164.211 117.845,164.211 117.916,164.14 117.916,164.028 117.986,163.957 118.245,163.957 118.316,164.028 118.316,164.14 118.386,164.211 118.645,164.211 118.716,164.14 118.716,164.028 118.786,163.957 119.045,163.957 119.116,164.028 119.116,164.14 119.186,164.211 119.445,164.211 119.516,164.14 119.516,164.028 119.586,163.957 119.845,163.957 119.916,164.028 119.916,164.14 119.986,164.211 120.245,164.211 120.316,164.14 120.316,164.028 120.386,163.957 120.645,163.957 120.716,164.028 120.716,164.14 120.786,164.211 121.045,164.211 121.116,164.14 121.116,164.028 121.186,163.957 121.445,163.957 121.516,164.028 121.516,164.14 121.586,164.211 121.845,164.211 121.916,164.14 121.916,164.028 121.986,163.957 122.245,163.957 122.316,164.028 122.316,164.14 122.386,164.211 122.645,164.211 122.716,164.14 122.716,164.028 122.786,163.957 123.045,163.957 123.116,164.028 123.116,164.14 123.186,164.211 123.445,164.211 123.516,164.14 123.516,164.028 123.586,163.957 123.845,163.957 123.916,164.028 123.916,164.14 123.986,164.211 124.245,164.211 124.316,164.14 124.316,164.028 124.386,163.957 124.645,163.957 124.716,164.028 124.716,164.14 124.786,164.211 125.045,164.211 125.116,164.14 125.116,164.028 125.186,163.957 125.445,163.957 125.516,164.028 125.516,164.14 125.586,164.211 125.845,164.211 125.916,164.14 125.916,164.028 125.986,163.957 126.245,163.957 126.316,164.028 126.316,164.14 126.386,164.211 126.645,164.211 126.716,164.14 126.716,164.028 126.786,163.957 127.045,163.957 127.116,164.028 127.116,164.14 127.186,164.211 127.445,164.211 127.516,164.14 127.516,164.028 127.586,163.957 127.845,163.957 127.916,164.028 127.916,164.14 127.986,164.211 128.245,164.211 128.316,164.14 128.316,164.028 128.386,163.957 128.645,163.957 128.716,164.028 128.716,164.14 128.786,164.211 129.045,164.211 129.116,164.14 129.116,164.028 129.186,163.957 129.445,163.957 129.516,164.028 129.516,164.14 129.586,164.211 129.845,164.211 129.916,164.14 129.916,164.028 129.986,163.957 130.245,163.957 130.316,164.028 130.316,164.14 130.386,164.211 130.645,164.211 130.716,164.14 130.716,164.028 130.786,163.957 131.045,163.957 131.116,164.028 131.116,164.14 131.186,164.211 131.445,164.211 131.516,164.14 131.516,164.028 131.586,163.957 131.845,163.957 131.916,164.028 131.916,164.14 131.986,164.211 132.245,164.211 132.316,164.14 132.316,164.028 132.386,163.957 132.645,163.957 132.716,164.028 132.716,164.14 132.786,164.211 133.045,164.211 133.116,164.14 133.116,164.028 133.186,163.957 133.985,163.957 134.14,163.802 134.14,163.702 133.986,163.548 133.986,163.448 134.169,163.265 134.269,163.265 134.423,163.419 134.523,163.419 134.706,163.236 134.706,163.136 134.552,162.982 134.552,162.882 134.735,162.699 134.835,162.699 134.989,162.853 135.089,162.853 135.272,162.67 135.272,162.57 135.118,162.416 135.118,162.316 135.301,162.133 135.401,162.133 135.555,162.287 135.655,162.287 136.118,161.824 136.118,161.306 136.047,161.235 135.961,161.235 135.89,161.164 135.89,160.906 135.961,160.835 136.047,160.835 136.118,160.764 136.118,160.506 136.047,160.435 135.961,160.435 135.89,160.364 135.89,160.106 135.961,160.035 136.047,160.035 136.118,159.964 136.118,159.742 136.017,159.641 136.017,159.342 136.118,159.241 U5.35@136.118,157.788
$1N75017: R63.1 U5.34 | length 42.2
  Top Layer w0.1: R63.1@110.034,162.612 110.1,162.612 110.308,162.82 110.17,162.958 110.17,163.058 110.353,163.24 110.453,163.24 110.591,163.103 110.691,163.103 110.874,163.285 110.874,163.385 110.736,163.523 110.736,163.623 110.918,163.806 111.018,163.806 111.156,163.668 111.256,163.668 111.439,163.851 111.439,163.951 111.301,164.089 111.301,164.189 111.484,164.372 111.584,164.372 111.722,164.234 111.822,164.234 112.053,164.465 112.353,164.465 112.424,164.536 112.424,164.546 112.495,164.617 112.753,164.617 112.824,164.546 112.824,164.536 112.895,164.465 113.153,164.465 113.224,164.536 113.224,164.546 113.295,164.617 113.553,164.617 113.624,164.546 113.624,164.536 113.695,164.465 113.953,164.465 114.024,164.536 114.024,164.546 114.095,164.617 114.353,164.617 114.424,164.546 114.424,164.536 114.495,164.465 114.753,164.465 114.824,164.536 114.824,164.546 114.895,164.617 115.153,164.617 115.224,164.546 115.224,164.536 115.295,164.465 115.553,164.465 115.624,164.536 115.624,164.546 115.695,164.617 115.953,164.617 116.024,164.546 116.024,164.536 116.095,164.465 116.353,164.465 116.424,164.536 116.424,164.546 116.495,164.617 116.753,164.617 116.824,164.546 116.824,164.536 116.895,164.465 117.153,164.465 117.224,164.536 117.224,164.546 117.295,164.617 117.553,164.617 117.624,164.546 117.624,164.536 117.695,164.465 117.953,164.465 118.024,164.536 118.024,164.546 118.095,164.617 118.353,164.617 118.424,164.546 118.424,164.536 118.495,164.465 118.753,164.465 118.824,164.536 118.824,164.546 118.895,164.617 119.153,164.617 119.224,164.546 119.224,164.536 119.295,164.465 119.553,164.465 119.624,164.536 119.624,164.546 119.695,164.617 119.953,164.617 120.024,164.546 120.024,164.536 120.095,164.465 120.353,164.465 120.424,164.536 120.424,164.546 120.495,164.617 120.753,164.617 120.824,164.546 120.824,164.536 120.895,164.465 121.153,164.465 121.224,164.536 121.224,164.546 121.295,164.617 121.553,164.617 121.624,164.546 121.624,164.536 121.695,164.465 121.953,164.465 122.024,164.536 122.024,164.546 122.095,164.617 122.353,164.617 122.424,164.546 122.424,164.536 122.495,164.465 122.753,164.465 122.824,164.536 122.824,164.546 122.895,164.617 123.153,164.617 123.224,164.546 123.224,164.536 123.295,164.465 123.553,164.465 123.624,164.536 123.624,164.546 123.695,164.617 123.953,164.617 124.024,164.546 124.024,164.536 124.095,164.465 124.353,164.465 124.424,164.536 124.424,164.546 124.495,164.617 124.753,164.617 124.824,164.546 124.824,164.536 124.895,164.465 125.153,164.465 125.224,164.536 125.224,164.546 125.295,164.617 125.553,164.617 125.624,164.546 125.624,164.536 125.695,164.465 125.953,164.465 126.024,164.536 126.024,164.546 126.095,164.617 126.353,164.617 126.424,164.546 126.424,164.536 126.495,164.465 126.753,164.465 126.824,164.536 126.824,164.546 126.895,164.617 127.153,164.617 127.224,164.546 127.224,164.536 127.295,164.465 127.553,164.465 127.624,164.536 127.624,164.546 127.695,164.617 127.953,164.617 128.024,164.546 128.024,164.536 128.095,164.465 128.353,164.465 128.424,164.536 128.424,164.546 128.495,164.617 128.753,164.617 128.824,164.546 128.824,164.536 128.895,164.465 129.153,164.465 129.224,164.536 129.224,164.546 129.295,164.617 129.553,164.617 129.624,164.546 129.624,164.536 129.695,164.465 129.953,164.465 130.024,164.536 130.024,164.546 130.095,164.617 130.353,164.617 130.424,164.546 130.424,164.536 130.495,164.465 130.753,164.465 130.824,164.536 130.824,164.546 130.895,164.617 131.153,164.617 131.224,164.546 131.224,164.536 131.295,164.465 131.553,164.465 131.624,164.536 131.624,164.546 131.695,164.617 131.953,164.617 132.024,164.546 132.024,164.536 132.095,164.465 132.353,164.465 132.424,164.536 132.424,164.546 132.495,164.617 132.753,164.617 132.824,164.546 132.824,164.536 132.895,164.465 133.153,164.465 133.224,164.536 133.224,164.546 133.295,164.617 133.553,164.617 133.624,164.546 133.624,164.536 133.695,164.465 134.112,164.465 134.324,164.253 134.324,164.153 134.312,164.141 134.312,164.041 134.495,163.858 134.595,163.858 134.607,163.87 134.707,163.87 134.89,163.687 134.89,163.587 134.834,163.532 134.834,163.432 135.017,163.249 135.117,163.249 135.173,163.304 135.273,163.304 135.456,163.121 135.456,163.021 135.4,162.966 135.4,162.866 135.583,162.683 135.683,162.683 135.738,162.739 135.838,162.739 136.021,162.556 136.021,162.456 135.966,162.4 135.966,162.3 136.149,162.118 136.249,162.118 136.304,162.173 136.404,162.173 136.847,161.73 136.847,161.651 136.777,161.58 136.469,161.58 136.398,161.51 136.398,161.251 136.469,161.18 136.847,161.18 136.918,161.11 136.918,160.851 136.847,160.78 136.469,160.78 136.398,160.71 136.398,160.451 136.469,160.38 136.847,160.38 136.918,160.31 136.918,160.051 136.847,159.98 136.469,159.98 136.398,159.91 136.398,159.651 136.469,159.58 136.847,159.58 136.918,159.51 136.918,159.251 136.847,159.18 136.469,159.18 136.398,159.11 136.398,158.851 136.469,158.78 136.847,158.78 136.918,158.71 U5.34@136.918,157.788
$1N75060: R64.1 U5.33 | length 43.7
  Top Layer w0.1: R64.1@108.129,161.977 108.544,162.392 108.798,162.392 111.252,164.846 111.934,164.846 112.005,164.917 112.005,164.927 112.075,164.998 112.334,164.998 112.405,164.927 112.405,164.917 112.475,164.846 112.734,164.846 112.805,164.917 112.805,164.927 112.875,164.998 113.134,164.998 113.205,164.927 113.205,164.917 113.275,164.846 113.534,164.846 113.605,164.917 113.605,164.927 113.675,164.998 113.934,164.998 114.005,164.927 114.005,164.917 114.075,164.846 114.334,164.846 114.405,164.917 114.405,164.927 114.475,164.998 114.734,164.998 114.805,164.927 114.805,164.917 114.875,164.846 115.134,164.846 115.205,164.917 115.205,164.927 115.275,164.998 115.534,164.998 115.605,164.927 115.605,164.917 115.675,164.846 115.934,164.846 116.005,164.917 116.005,164.927 116.075,164.998 116.334,164.998 116.405,164.927 116.405,164.917 116.475,164.846 116.734,164.846 116.805,164.917 116.805,164.927 116.875,164.998 117.134,164.998 117.205,164.927 117.205,164.917 117.275,164.846 117.534,164.846 117.605,164.917 117.605,164.927 117.675,164.998 117.934,164.998 118.005,164.927 118.005,164.917 118.075,164.846 118.334,164.846 118.405,164.917 118.405,164.927 118.475,164.998 118.734,164.998 118.805,164.927 118.805,164.917 118.875,164.846 119.134,164.846 119.205,164.917 119.205,164.927 119.275,164.998 119.534,164.998 119.605,164.927 119.605,164.917 119.675,164.846 119.934,164.846 120.005,164.917 120.005,164.927 120.075,164.998 120.334,164.998 120.405,164.927 120.405,164.917 120.475,164.846 120.734,164.846 120.805,164.917 120.805,164.927 120.875,164.998 121.134,164.998 121.205,164.927 121.205,164.917 121.275,164.846 121.534,164.846 121.605,164.917 121.605,164.927 121.675,164.998 121.934,164.998 122.005,164.927 122.005,164.917 122.075,164.846 122.334,164.846 122.405,164.917 122.405,164.927 122.475,164.998 122.734,164.998 122.805,164.927 122.805,164.917 122.875,164.846 123.134,164.846 123.205,164.917 123.205,164.927 123.275,164.998 123.534,164.998 123.605,164.927 123.605,164.917 123.675,164.846 123.934,164.846 124.005,164.917 124.005,164.927 124.075,164.998 124.334,164.998 124.405,164.927 124.405,164.917 124.475,164.846 124.734,164.846 124.805,164.917 124.805,164.927 124.875,164.998 125.134,164.998 125.205,164.927 125.205,164.917 125.275,164.846 125.534,164.846 125.605,164.917 125.605,164.927 125.675,164.998 125.934,164.998 126.005,164.927 126.005,164.917 126.075,164.846 126.334,164.846 126.405,164.917 126.405,164.927 126.475,164.998 126.734,164.998 126.805,164.927 126.805,164.917 126.875,164.846 127.134,164.846 127.205,164.917 127.205,164.927 127.275,164.998 127.534,164.998 127.605,164.927 127.605,164.917 127.675,164.846 127.934,164.846 128.005,164.917 128.005,164.927 128.075,164.998 128.334,164.998 128.405,164.927 128.405,164.917 128.475,164.846 128.734,164.846 128.805,164.917 128.805,164.927 128.875,164.998 129.134,164.998 129.205,164.927 129.205,164.917 129.275,164.846 129.534,164.846 129.605,164.917 129.605,164.927 129.675,164.998 129.934,164.998 130.005,164.927 130.005,164.917 130.075,164.846 130.334,164.846 130.405,164.917 130.405,164.927 130.475,164.998 130.734,164.998 130.805,164.927 130.805,164.917 130.875,164.846 131.134,164.846 131.205,164.917 131.205,164.927 131.275,164.998 131.534,164.998 131.605,164.927 131.605,164.917 131.675,164.846 131.934,164.846 132.005,164.917 132.005,164.927 132.075,164.998 132.334,164.998 132.405,164.927 132.405,164.917 132.475,164.846 132.734,164.846 132.805,164.917 132.805,164.927 132.875,164.998 133.134,164.998 133.205,164.927 133.205,164.917 133.275,164.846 133.534,164.846 133.605,164.917 133.605,164.927 133.675,164.998 133.934,164.998 134.005,164.927 134.005,164.917 134.075,164.846 134.366,164.846 134.578,164.634 134.578,164.534 134.566,164.522 134.566,164.422 134.749,164.239 134.849,164.239 134.861,164.251 134.961,164.251 135.144,164.068 135.144,163.968 135.088,163.913 135.088,163.813 135.271,163.63 135.371,163.63 135.427,163.685 135.527,163.685 135.71,163.502 135.71,163.402 135.654,163.347 135.654,163.247 135.837,163.064 135.937,163.064 135.992,163.12 136.092,163.12 136.275,162.937 136.275,162.837 136.22,162.781 136.22,162.681 136.403,162.499 136.503,162.499 136.558,162.554 136.658,162.554 136.841,162.371 136.841,162.271 136.794,162.225 136.794,162.125 136.977,161.942 137.077,161.942 137.124,161.988 137.224,161.988 137.922,161.29 137.922,161.069 137.851,160.998 137.358,160.998 137.287,160.927 137.287,160.669 137.358,160.598 137.851,160.598 137.922,160.527 137.922,160.269 137.851,160.198 137.358,160.198 137.287,160.127 137.287,159.869 137.358,159.798 137.851,159.798 137.922,159.727 137.922,159.444 137.851,159.373 137.739,159.373 137.668,159.302 137.668,159.044 137.739,158.973 137.851,158.973 137.922,158.902 137.922,157.992 U5.33@137.718,157.788